# Altium PCB rt1062-ref.PcbDoc (part 2 of 4)
Units mil, origin at the board's own origin, x right, y up, seen from the top; angles counter-clockwise.
Board outline 1400 x 1750 mil, 8 copper layers (Top, L2, L3, L4, L5, L6, L7, Bottom), stack 46.516 mil thick; 250 components, 225 nets, 1025 pads, 574 vias.
Unrouted connection lines stored in the file: 48.
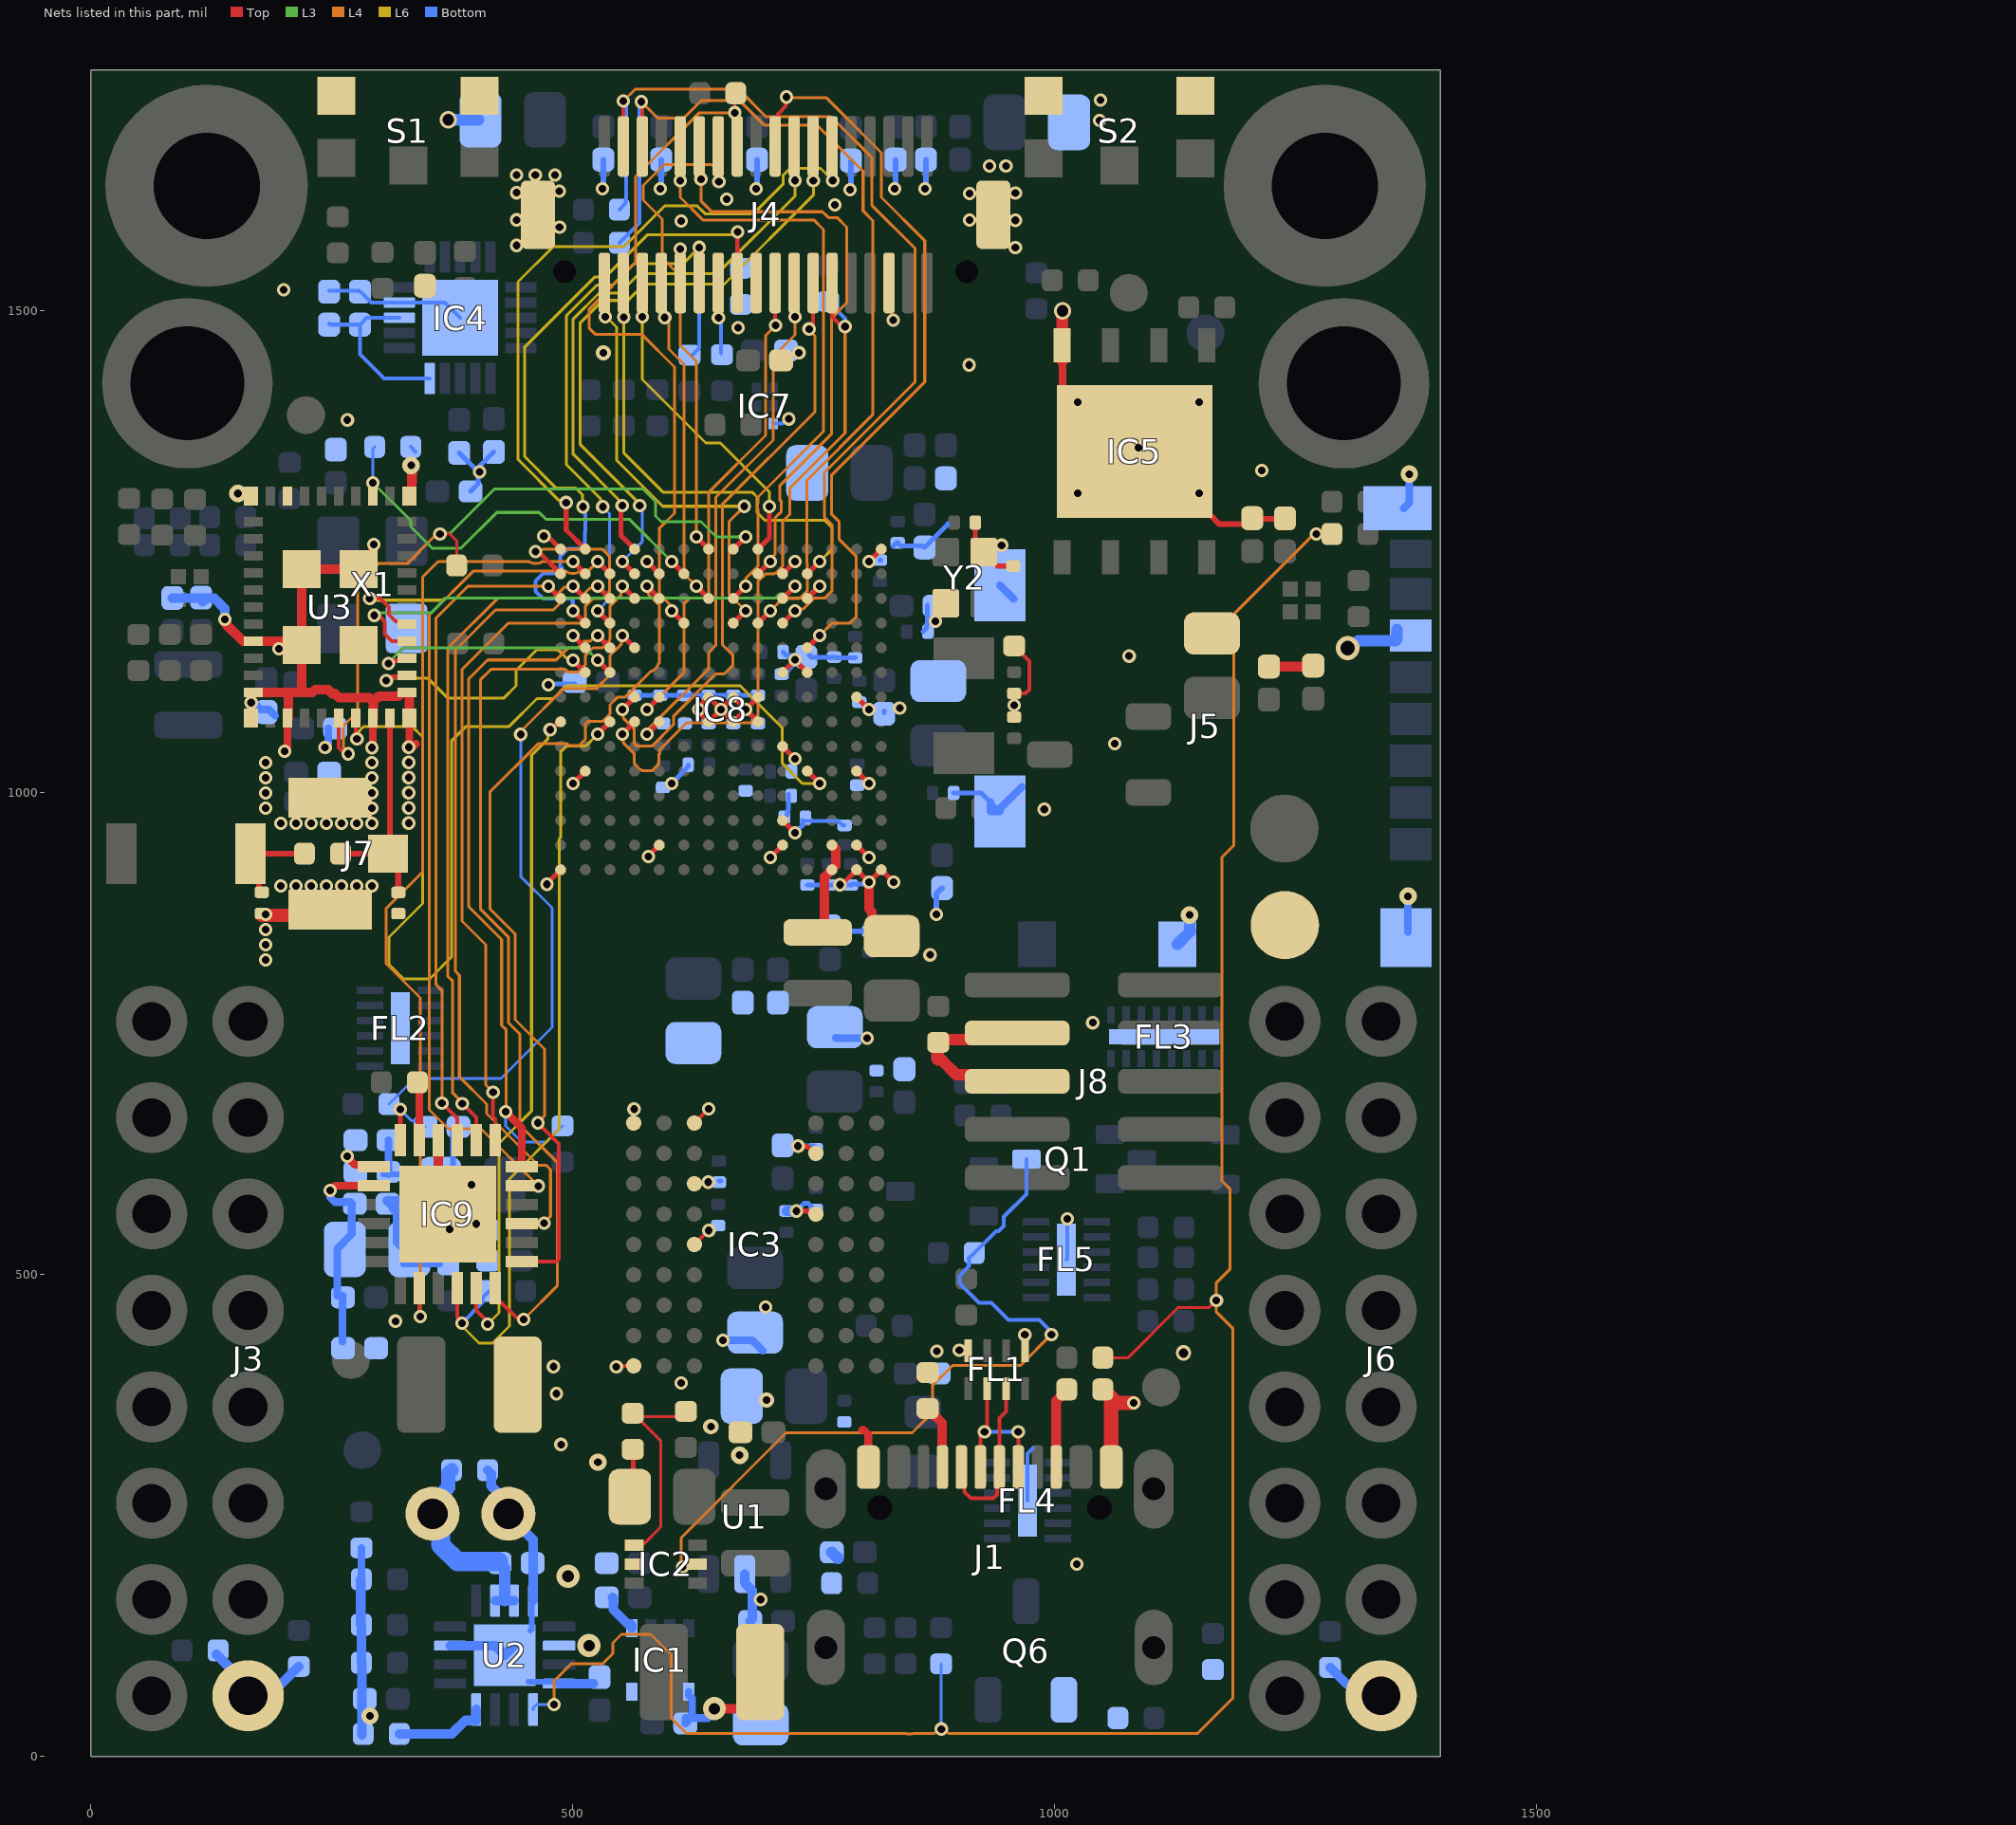
[diagram p8: the nets of this part, all layers, seen from the top]

## Part data
ANT1: "ABRACON - AMCA31-2R450G-S1F-T3 - ANTENNA, CHIP, 2.45GHZ, 50 OHM, 1206   Source:  Datasheet", MANUFACTURER_NAME=ABRACON, DeviceSetName=AMCA31-2R450G-S1F-T3, GateName_1=G$1, HEIGHT=1.4mm, LibraryName=AMCA31-2R450G-S1F-T3, MANUFACTURER_PART_NUMBER=AMCA31-2R450G-S1F-T3, MOUSER_PART_NUMBER=815-CA312R450GS1FT3, MOUSER_PRICE-STOCK=https://www.mouser.co.uk/ProductDetail/ABRACON/AMCA31-2R450G-S1F-T3?qs=AAveGqk956GLuOddQEK40Q%3D%3D, MPN=AMCA31-2R450G-S1F-T3, Part Number=AMCA31-2R450G-S1F-T3, SymbolName_1=AMCA31-2R450G-S1F-T3
C1 C2 C3 C4 C5 C8 C9 C10 C12 C17 C21 C23 C25 C27 C30 C33 C35 C39 C40 C41 C42 C44 C46 C52 C57 C60 C64 C65 C67 C72 C82 C83 C90 C91 C92 C93 C95 C101 C104 C108 C112 C113: library part CAP0402-CAP, "CapacitorStandard 0603 ceramic capacitor, and 0.1\" leaded capacitor.", MPN=JMK105BBJ475MV-F, DeviceName=0402-CAP, DeviceSetName=CAP, GateName_1=G$1, LibraryName=sfe, Part Number=JMK105BBJ475MV-F, SymbolName_1=CAP
C6 C7 C14 C18 C29 C32 C37 C49 C51 C58 C61 C73 C85 C96: library part 22UF-0805-6.3V-20%, "22ÂµF ceramic capacitors    A capacitor is a passive two-terminal electrical component used to store electrical energy temporarily in an electric field.", MPN=CL21A226MQQNNNE, DeviceName=-0805-6.3V-20%, DeviceSetName=22UF, GateName_1=G$1, LibraryName=SparkFun-Capacitors, Part Number=CL21A226MQQNNNE, PROD_ID=CAP-08402, SymbolName_1=CAP
C11 C13 C15 C16 C19 C28 C31 C34 C38 C43 C45 C47 C48 C50 C53 C54 C55 C56 C59 C62 C63 C66 C68 C69 C70 C71 C86 C87 C88 C94 C97 C98 C99 C100 C102 C103 C107 C109: library part C-EUC0201, "CAPACITOR, European symbol", MPN=GRM033R60J224ME15D, DeviceName=C0201, DeviceSetName=C-EU, GateName_1=G$1, LibraryName=rcl, Part Number=GRM033R60J224ME15D, POPULARITY=0, SPICEPREFIX=C, SymbolName_1=C-EU
C20 C22 C24 C26 C36 C74 C75 C76 C81 C84 C89 C111: library part C-EUC0201, "CAPACITOR, European symbol", MPN=C0402C104Z4VAC, DeviceSetName=C-EU, GateName_1=G$1, LibraryName=rcl, Part Number=C0402C104Z4VAC, POPULARITY=0, SPICEPREFIX=C, SymbolName_1=C-EU
C77: "Chip Capacitor value 1R5   Source:  Datasheet", MANUFACTURER_NAME="Murata Electronics", DeviceSetName=GRM0335C1H1R5BA01D, GateName_1=G$1, HEIGHT=0.33mm, LibraryName=GRM0335C1H1R5BA01D, MANUFACTURER_PART_NUMBER=GRM0335C1H1R5BA01D, MOUSER_PART_NUMBER=81-GRM0335C1H1R5BA1D, MOUSER_PRICE-STOCK=https://www.mouser.co.uk/ProductDetail/Murata-Electronics/GRM0335C1H1R5BA01D?qs=7vGxPDjevFPFqveGwv%252BPUQ%3D%3D, MPN=GRM0335C1H1R5BA01D, Part Number=GRM0335C1H1R5BA01D, SymbolName_1=GRM0335C1H1R5BA01D
C78: library part GRM0335C1H1R5BA01D, "Chip Capacitor value 1R5   Source:  Datasheet", MANUFACTURER_NAME="Murata Electronics", DeviceSetName=GRM0335C1H1R5BA01D, GateName_1=G$1, HEIGHT=0.33mm, LibraryName=GRM0335C1H1R5BA01D, MANUFACTURER_PART_NUMBER=GRM0335C1H1R5BA01D, MOUSER_PART_NUMBER=81-GRM0335C1H1R5BA1D, MOUSER_PRICE-STOCK=https://www.mouser.co.uk/ProductDetail/Murata-Electronics/GRM0335C1H1R5BA01D?qs=7vGxPDjevFPFqveGwv%252BPUQ%3D%3D, MPN=DNP, Part Number=DNP, POPULATE=0, SymbolName_1=GRM0335C1H1R5BA01D
C79 C80: library part C-EUC0201, "CAPACITOR, European symbol", MPN=GRM0335C1E180JA01D, DeviceName=C0201, DeviceSetName=C-EU, GateName_1=G$1, LibraryName=rcl, Part Number=GRM0335C1E180JA01D, POPULARITY=0, SPICEPREFIX=C, SymbolName_1=C-EU
C105 C106: library part C-EUC0201, "CAPACITOR, European symbol", MPN=GRM0335C1E4R7CA01D, DeviceName=C0201, DeviceSetName=C-EU, GateName_1=G$1, LibraryName=rcl, Part Number=GRM0335C1E4R7CA01D, POPULARITY=0, SPICEPREFIX=C, SymbolName_1=C-EU
C110: library part CAP0402-CAP, "Capacitor", MPN=VJ0402Y102JXACW1BC, DeviceName=0402-CAP, DeviceSetName=CAP, GateName_1=G$1, LibraryName=sfe, Part Number=VJ0402Y102JXACW1BC, SymbolName_1=CAP
C114 C116: library part CAP_POL, MANUFACTURER P/N=F930J227MBA, MPN=F930J227MBA, Part Number=F930J227MBA
CN1: library part JST_2PIN-THM-RA, "JST 2-Pin Connectors of various flavors SMT-RA (S2B-PH-SM4) 4UConnector #17311  SMT  (B2B-PH-SM4)  THM-RA (S2B-PH)  THM  (B2B-PH)", DeviceName=-THM-RA, DeviceSetName=JST_2PIN, GateName_1=G$1, LibraryName=adafruit-updated, MPN=S2B-PH-K-S(LF)(SN), Part Number=S2B-PH-K-S(LF)(SN), SymbolName_1=PINHD2
D1 D3: "LED RGB SMD, SIZE 1 X 1 mm Check availability", MPN=UHD1110-FKA-CL1A13r3q1BBQFMF3, PACKAGE="0404 Cree Inc.", AVAILABILITY="In Stock", DeviceSetName=UHD1110-FKA-CL1A13R3Q1BBQFMF3, GateName_1=G$1, LibraryName=UHD1110-FKA-CL1A13R3Q1BBQFMF3, MF="Cree Inc.", MP=UHD1110-FKA-CL1A13R3Q1BBQFMF3, Part Number=UHD1110-FKA-CL1A13r3q1BBQFMF3, PRICE=None, PURCHASE-URL=https://pricing.snapeda.com/search/part/UHD1110-FKA-CL1A13R3Q1BBQFMF3/?ref=eda, SymbolName_1=UHD1110-FKA-CL1A13R3Q1BBQFMF3
D2 D4 D5 D7 D8 D10 D13 D14: "ESD Suppressors / TVS Diodes DIODE ESD 5VWM 65W 0402/SOD-923F   Source:  Datasheet", MANUFACTURER_NAME="Comchip Technology", DeviceSetName=CPDQT5V0HE-HF, GateName_1=G$1, HEIGHT=0.42mm, LibraryName=CPDQT5V0HE-HF, MANUFACTURER_PART_NUMBER=CPDQT5V0HE-HF, MOUSER_PART_NUMBER=MOUSER_PART_NUMBER, MOUSER_PRICE-STOCK=MOUSER_PRICE-STOCK, MPN=CPDQT5V0HE-HF, Part Number=CPDQT5V0HE-HF, SymbolName_1=CPDQT5V0HE-HF
D11: MPN=BAT54CLT3G, Part Number=BAT54CLT3G
FD1 FD2 FD3 FD4 FD5 FD6 FD7 FD8: "Fiducial Alignment Points    Point-of-reference for pick-and-place machines and other optical instruments.", DeviceName=1X2, DeviceSetName=FIDUCIAL, GateName_1=G$1, LibraryName=SparkFun-Aesthetics, SymbolName_1=FIDUCIAL
FL1: "Common Mode Filter & ESD Prot. USB uQFN8 STMicroelectronics ECMF02 Series, Signal Filter uQFN SMD, Flat Contact Termination, 2.6 x 1.3 x 0.6mm   Source:  Datasheet", MANUFACTURER_NAME=STMicroelectronics, DeviceSetName=ECMF02-4CMX8, GateName_1=G$1, HEIGHT=mm, LibraryName=ECMF02-4CMX8, MANUFACTURER_PART_NUMBER=ECMF02-4CMX8, MOUSER_PART_NUMBER=511-ECMF02-4CMX8, MOUSER_PRICE-STOCK=https://www.mouser.co.uk/ProductDetail/STMicroelectronics/ECMF02-4CMX8?qs=xYt8xtm2zhmK7GoDlDZR3A%3D%3D, MPN=ECMF02-4CMX8, Part Number=ECMF02-4CMX8, SymbolName_1=ECMF02-4CMX8
FL2 FL4 FL5: "EMI Filter Circuits 6lin lw cpcitnc EMI 45pF -35db @ 900MHz   Source:  Datasheet", MANUFACTURER_NAME=STMicroelectronics, DeviceSetName=EMIF06-1005M12, GateName_1=G$1, HEIGHT=0.65mm, LibraryName=EMIF06-1005M12, MANUFACTURER_PART_NUMBER=EMIF06-1005M12, MOUSER_PART_NUMBER=511-EMIF06-1005M12, MOUSER_PRICE-STOCK=https://www.mouser.co.uk/ProductDetail/STMicroelectronics/EMIF06-1005M12?qs=VJaATVMq%252BXo0u09ZqtQg3A%3D%3D, MPN=EMIF06-1005M12, Part Number=EMIF06-1005M12, SymbolName_1=EMIF06-1005M12
FL3: "No Description Available", MPN=EMIF06-MSD02N16, Part Numbre=EMIF06-MSD02N16
IC1: "1.6-V to 5.5-V, 40-m, 2.5-A, low-IQ, dual ideal diode   Source:  Datasheet", MANUFACTURER_NAME="Texas Instruments", DeviceSetName=LM66200DRLR, GateName_1=G$1, HEIGHT=0.6mm, LibraryName=LM66200DRLR, MANUFACTURER_PART_NUMBER=LM66200DRLR, MOUSER_PART_NUMBER=595-LM66200DRLR, MOUSER_PRICE-STOCK=https://www.mouser.co.uk/ProductDetail/Texas-Instruments/LM66200DRLR?qs=Rp5uXu7WBW90hnpZAkIOdQ%3D%3D, MPN=LM66200DRLR, Part Number=LM66200DRLR, SymbolName_1=LM66200DRLR
IC2: "DCDC Conv LV Buck SOT563 T&R 3K   Source:  Datasheet", MANUFACTURER_NAME="Diodes Inc.", DeviceSetName=AP61300Z6-7, GateName_1=G$1, HEIGHT=0.6mm, LibraryName=AP61300Z6-7, MANUFACTURER_PART_NUMBER=AP61300Z6-7, MOUSER_PART_NUMBER=621-AP61300Z6-7, MOUSER_PRICE-STOCK=https://www.mouser.co.uk/ProductDetail/Diodes-Incorporated/AP61300Z6-7?qs=HBWAp0VN4Ri0dzb0XP2pEA%3D%3D, MPN=AP61300Z6-7, Part Number=AP61300Z6-7, SymbolName_1=AP61300Z6-7
IC3: "DRAM 256M 16Mx16 166Mhz SDR SDRAM, 3.3V   Source:  Datasheet", MANUFACTURER_NAME="Integrated Silicon Solution Inc.", DeviceSetName=IS42S16160G-6BL, GateName_1=G$1, HEIGHT=1.2mm, LibraryName=IS42S16160G-6BL, MANUFACTURER_PART_NUMBER=IS42S16160G-6BL, MOUSER_PART_NUMBER=870-IS42S16160G-6BL, MOUSER_PRICE-STOCK=https://www.mouser.co.uk/ProductDetail/ISSI/IS42S16160G-6BL?qs=9hm%252BDT1Jr7yvZBhvmJyecQ%3D%3D, MPN=IS42S16160G-6BL, Part Number=IS42S16160G-6BL, SymbolName_1=IS42S16160G-6BL
IC5: "NOR Flash 128M 2.3-3.6V 166Mhz Serial NOR Flash   Source:  Datasheet", MANUFACTURER_NAME="Integrated Silicon Solution Inc.", DeviceSetName=IS25LP128F-JKLE-TR, GateName_1=G$1, HEIGHT=0.8mm, LibraryName=IS25LP128F-JKLE-TR, MANUFACTURER_PART_NUMBER=IS25LP128F-JKLE-TR, MOUSER_PART_NUMBER=870-IS25LP128F-JKLE-TR, MOUSER_PRICE-STOCK=https://www.mouser.com/ProductDetail/ISSI/IS25LP128F-JKLE-TR?qs=F5EMLAvA7IC8MN2X519UUw%3D%3D&gclid=CjwKCAjwsvujBhAXEiwA_UXnABLUJpl9weydWRO2l8Lx1K-mg-pZDVt8AO_chLaXpBnEcozZukFcOxoCxuIQAvD_BwE, MPN=IS25LP128F-JKLE-TR, SymbolName_1=IS25LP128F-JKLE-TR
IC7: "Accelerometers Monolithic and Wafer Level Packaged Three-Axis Accelerometer   Source:  Datasheet", MANUFACTURER_NAME=MEMSIC, DeviceSetName=MXC4005XC, GateName_1=G$1, HEIGHT=0.885mm, LibraryName=MXC4005XC, MANUFACTURER_PART_NUMBER=MXC4005XC, MOUSER_PART_NUMBER=438-MXC4005XC, MOUSER_PRICE-STOCK=https://www.mouser.co.uk/ProductDetail/MEMSIC/MXC4005XC?qs=RcG8xmE7yp3iyYgWLmAtUw%3D%3D, MPN=MXC4005XC, Part Number=MXC4005XC, SymbolName_1=MXC4005XC
IC8: library part MIMXRT1052DVL6B, "Processors - Application Specialized MIMXRT106FDVL6B/LFBGA196///STANDARD MARKING * TRAY   Source:  Datasheet", MANUFACTURER_NAME=NXP, GateName_1=G$1, HEIGHT=1.43mm, MANUFACTURER_PART_NUMBER=MIMXRT106FDVL6B, MPN=MIMXRT106FDVL6B, Part Number=MIMXRT106FDVL6B
IC9: "Ethernet ICs 10/100 BASE-TX Physical Layer Transceiver   Source:  Datasheet", MANUFACTURER_NAME=Microchip, DeviceSetName=KSZ8081RNDCA-TR, GateName_1=G$1, HEIGHT=0.9mm, LibraryName=KSZ8081RNDCA-TR, MANUFACTURER_PART_NUMBER=KSZ8081RNDCA-TR, MOUSER_PART_NUMBER=998-KSZ8081RNDCATR, MOUSER_PRICE-STOCK=https://www.mouser.co.uk/ProductDetail/Microchip-Technology-Atmel/KSZ8081RNDCA-TR?qs=U6T8BxXiZAXLXXdn%2FieQKw%3D%3D, MPN=KSZ8081RNDCA-TR, Part Number=KSZ8081RNDCA-TR, SymbolName_1=KSZ8081RNDCA-TR
J1: "USB-C (USB TYPE-C) USB 2.0 Receptacle Connector 24 (16+8 Dummy) Position Surface Mount, Right Angle; Through Hole  Check availability", PACKAGE=None, AVAILABILITY="In Stock", DeviceSetName=USB4105-GF-A, GateName_1=G$1, LibraryName=USB4105-GF-A, MF=GCT, MP=USB4105-GF-A, MPN=USB4105-GF-A, Part Number=USB4105-GF-A, PRICE=None, PURCHASE-URL=https://pricing.snapeda.com/search/part/USB4105-GF-A/?ref=eda, SymbolName_1=USB4105-GF-A
J2 J3 J6 J9: library part "CONN_08\"", "Multi connection point. Often used as Generic Header-pin footprint for 0.1 inch spaced/style header connections    On any of the 0.1 inch spaced packages, you can populate with these:  Break Away Headers - Straight (PRT-00116)   Break Away Male Headers - Right Angle (PRT-00553)   Female Headers (PRT-00115)   Break Away Headers - Machine Pin (PRT-00117)   Break Away Female Headers - Swiss Machine Pin (PRT-00743)   Arduino Stackable Header - 8 Pin (PRT-09279)        For SCREWTERMINALS and SPRING TERMINALS visit here:  Screw Terimnals on SparkFun.com (5mm/3.5mm/2.54mm spacing)       This device is also useful as a general connection point to wire up your design to another part of your project. Our various solder wires solder well into these plated through hole pads.  Hook-Up Wire - Assortment (Stranded, 22 AWG) (PRT-11375)   Hook-Up Wire - Assortment (Solid Core, 22 AWG) (PRT-11367)   View the entire wire category on our website here          Special notes:     Molex polarized connector foot print use with SKU : PRT-08231 with associated crimp pins and housings. 1MM SMD Version SKU: PRT-10208    NOTES ON THE VARIANTS LOCK and LOCK_LONGPADS... This footprint was designed to help hold the alignment of a through-hole component (i.e.  6-pin header) while soldering it into place. You may notice that each hole has been shifted either up or down by 0.005 of an inch from it's more standard position (which is a perfectly straight line).  This slight alteration caused the pins (the squares in the middle) to touch the edges of the holes.  Because they are alternating, it causes a \"brace\" to hold the component in place.  0.005 has proven to be the perfect amount of \"off-center\" position when using our standard breakaway headers. Although looks a little odd when you look at the bare footprint, once you have a header in there, the alteration is very hard to notice.  Also,if you push a header all the way into place, it is covered up entirely on the bottom side.", DeviceName="\"", DeviceSetName=CONN_08, GateName_1=G$1, LibraryName=SparkFun-Connectors, MPN=DNP, Part Number=DNP, POPULATE=0, PROD_ID=CONN-08438, SymbolName_1=CONN_08
J4: library part DF12-36-DS, "Header", DeviceSetName=DF12-36-DS, GateName_1=G$1, LibraryName=DF12-36-DS, MPN=DF12NB(3.0)-36DS-0.5V(51), Part Number=DF12NB(3.0)-36DS-0.5V(51), SymbolName_1=DF12-36
J5: "uSD Slot", MPN=104031-0811, DeviceSetName=USD-1040310811, GateName_1=G$1, LibraryName=1040310811, Part Number=104031-0811, SymbolName_1=USD
J7: library part 2337019-1, "RF Connectors / Coaxial Connectors MicroCoax receptacle UMCC Gen 1   Source:  Datasheet", MANUFACTURER_NAME="TE Connectivity", DeviceSetName=2337019-1, GateName_1=G$1, HEIGHT=1.4mm, LibraryName=2337019-1, MANUFACTURER_PART_NUMBER=2337019-1, MOUSER_PART_NUMBER=571-2337019-1, MOUSER_PRICE-STOCK=https://www.mouser.co.uk/ProductDetail/TE-Connectivity/2337019-1?qs=l4Gc20tDgJIuN7nS9rJkJw%3D%3D, MPN=DNP, Part Number=DNP, POPULATE=0, SymbolName_1=2337019-1
J8: library part 3221-10-0300-00, "Check availability", PACKAGE=None, AVAILABILITY="In Stock", DeviceSetName=3221-10-0300-00, GateName_1=G$1, LibraryName=3221-10-0300-00, MF="CNC Tech", MP=FTSH-105-01-F-DV-K-P-TR, MPN=FTSH-105-01-F-DV-K-P-TR, Part Number=FTSH-105-01-F-DV-K-P-TR, PRICE=None, PURCHASE-URL=https://pricing.snapeda.com/search/part/3221-10-0300-00/?ref=eda, SymbolName_1=3221-10-0300-00
L1: library part INDUCTOR, "InductorsBasic Inductor/Choke - 0603 and 1206. Footprints are not proven and vary greatly between part numbers.", GateName_1=G$1, MPN=MFBM1V1608-101-R, Part Number=MFBM1V1608-101-R
L2: "Ind Power Wirewound 1uH 20% 2MHz Metal 2200mA 0806 Check availability", PACKAGE="2016 Taiyo Yuden", AVAILABILITY="In Stock", DeviceSetName=MAKK2016T1R0M, GateName_1=G$1, LibraryName=MAKK2016T1R0M, MF="Taiyo Yuden", MP=MAKK2016T1R0M, MPN=MAKK2016T1R0M, Part Number=MAKK2016T1R0M, PRICE=None, PURCHASE-URL=https://pricing.snapeda.com/search/part/MAKK2016T1R0M/?ref=eda, SymbolName_1=MAKK2016T1R0M
L4 L6 L8: library part INDUCTOR0402, "InductorsBasic Inductor/Choke - 0603 and 1206. Footprints are not proven and vary greatly between part numbers.", MPN=MFBM1V1005-101-R, DeviceName=0402, DeviceSetName=INDUCTOR, GateName_1=G$1, LibraryName=sfe, Part Number=MFBM1V1005-101-R, SymbolName_1=INDUCTOR
L5: "INDUCTOR, METAL CORE, SHIELDED, SMD HIGH CURRENT, 4.7uH, 20%, TR Check availability", PACKAGE="2016 Taiyo Yuden", AVAILABILITY="In Stock", DeviceSetName=MAKK2016T4R7M, GateName_1=G$1, LibraryName=MAKK2016T4R7M, MF="Taiyo Yuden", MP=MAKK2016T4R7M, MPN=MAKK2016T4R7M, Part Number=MAKK2016T4R7M, PRICE=None, PURCHASE-URL=https://pricing.snapeda.com/search/part/MAKK2016T4R7M/?ref=eda, SymbolName_1=MAKK2016T4R7M
L7: library part INDUCTOR-0402-3.9NH, "Inductors    Resist changes in electrical current. Basically a coil of wire.   SparkFun Products:  SparkFun Load Cell Amplifier - HX711  IOIO-OTG - V2.2", MPN=L-07C3N9SV6T, DeviceName=-0402-3.9NH, DeviceSetName=INDUCTOR, GateName_1=G$1, LibraryName=SparkFun-Coils, Part Number=L-07C3N9SV6T, PROD_ID=NDUC-13457, SymbolName_1=INDUCTOR
L9: "INDUCTOR, METAL CORE Check availability", PACKAGE="2016 Taiyo Yuden", AVAILABILITY="In Stock", DeviceSetName=MAKK2016T2R2M, GateName_1=G$1, LibraryName=MAKK2016T2R2M, MF="Taiyo Yuden", MP=MAKK2016T2R2M, MPN=MAKK2016T2R2M, Part Number=MAKK2016T2R2M, PRICE=None, PURCHASE-URL=https://pricing.snapeda.com/search/part/MAKK2016T2R2M/?ref=eda, SymbolName_1=MAKK2016T2R2M
M1 M2: "M2 3mm Standoff", DeviceSetName=9774030243R, GateName_1=G$1, LibraryName=9774030243R, MPN=9774030243R, Part Number=9774030243R, SymbolName_1=9774030243R
P1 P2: library part OMV
P3: library part ROHS
P4: library part WEEE
Q1 Q2 Q3: "MOSFET 60V N-Channel Enhancement Mode MOSFET - ESD Protected   Source:  Datasheet", MANUFACTURER_NAME=PANJIT, DeviceSetName=2N7002KW_R1_00001, GateName_1=G$1, HEIGHT=1.1mm, LibraryName=2N7002KW_R1_00001, MANUFACTURER_PART_NUMBER=2N7002KW_R1_00001, MOUSER_PART_NUMBER=241-2N7002KWR100001, MOUSER_PRICE-STOCK=https://www.mouser.co.uk/ProductDetail/Panjit/2N7002KW_R1_00001?qs=sPbYRqrBIVliWKATqv7jNA%3D%3D, MPN=2N7002KW_R1_00001, Part Number=2N7002KW_R1_00001, SymbolName_1=2N7002KW_R1_00001
R1 R6 R7 R21: library part RESISTOR0402-RES, "ResistorBasic schematic elements and footprints for 0603, 1206, and PTH resistors.", MPN=RC0402JR-075K1L, DeviceName=0402-RES, DeviceSetName=RESISTOR, GateName_1=G$1, LibraryName=sfe, Part Number=RC0402JR-075K1L, SymbolName_1=RESISTOR
R2: library part RESISTOR0402-RES, "ResistorBasic schematic elements and footprints for 0603, 1206, and PTH resistors.", MPN=CRCW0402200KFKEDC, DeviceName=0402-RES, DeviceSetName=RESISTOR, GateName_1=G$1, LibraryName=sfe, Part Number=CRCW0402200KFKEDC, SymbolName_1=RESISTOR
R3 R69: library part RESISTOR0402-RES, "ResistorBasic schematic elements and footprints for 0603, 1206, and PTH resistors.", MPN=CRCW04021M00FKEDC, DeviceName=0402-RES, DeviceSetName=RESISTOR, GateName_1=G$1, LibraryName=sfe, Part Number=CRCW04021M00FKEDC, SymbolName_1=RESISTOR
R4 R9 R20 R37 R44 R45 R46: library part RESISTOR0402-RES, "ResistorBasic schematic elements and footprints for 0603, 1206, and PTH resistors.", MPN=AC0402FR-1310KL, DeviceName=0402-RES, DeviceSetName=RESISTOR, GateName_1=G$1, LibraryName=sfe, Part Number=AC0402FR-1310KL, SymbolName_1=RESISTOR
R5 R19 R28 R36 R39 R54: library part RESISTOR0402-RES, "ResistorBasic schematic elements and footprints for 0603, 1206, and PTH resistors.", MPN=CRCW04021K00FKEDC, DeviceName=0402-RES, DeviceSetName=RESISTOR, GateName_1=G$1, LibraryName=sfe, Part Number=CRCW04021K00FKEDC, SymbolName_1=RESISTOR
R8: library part RESISTOR0402-RES, "ResistorBasic schematic elements and footprints for 0603, 1206, and PTH resistors.", MPN=AC0402FR-0744K2L, DeviceName=0402-RES, DeviceSetName=RESISTOR, GateName_1=G$1, LibraryName=sfe, Part Number=AC0402FR-0744K2L, SymbolName_1=RESISTOR
R10: library part RESISTOR0402-RES, "ResistorBasic schematic elements and footprints for 0603, 1206, and PTH resistors.", MPN=RC0402JR-071K1, DeviceName=0402-RES, DeviceSetName=RESISTOR, GateName_1=G$1, LibraryName=sfe, Part Number=RC0402JR-071K1, SymbolName_1=RESISTOR
R11: library part RESISTOR0402-RES, "ResistorBasic schematic elements and footprints for 0603, 1206, and PTH resistors.", MPN=WR04X4642FTL, DeviceName=0402-RES, DeviceSetName=RESISTOR, GateName_1=G$1, LibraryName=sfe, Part Number=WR04X4642FTL, SymbolName_1=RESISTOR
R12: library part RESISTOR0402-RES, "ResistorBasic schematic elements and footprints for 0603, 1206, and PTH resistors.", MPN=CR0402-FX-8201GLF, DeviceName=0402-RES, DeviceSetName=RESISTOR, GateName_1=G$1, LibraryName=sfe, Part Number=CR0402-FX-8201GLF, SymbolName_1=RESISTOR
R13 R14 R18 R22 R23 R24 R34 R42 R43 R53 R62 R63 R64 R65 R66: library part RESISTOR0402-RES, "ResistorBasic schematic elements and footprints for 0603, 1206, and PTH resistors.", MPN=AC0402FR-07100KL, DeviceName=0402-RES, DeviceSetName=RESISTOR, GateName_1=G$1, LibraryName=sfe, Part Number=AC0402FR-07100KL, SymbolName_1=RESISTOR
R15 R16 R17: library part RESISTOR0402-RES, "ResistorBasic schematic elements and footprints for 0603, 1206, and PTH resistors.", MPN=AC0402JR-072K7L, DeviceName=0402-RES, DeviceSetName=RESISTOR, GateName_1=G$1, LibraryName=sfe, Part Number=AC0402JR-072K7L, SymbolName_1=RESISTOR
R27 R29 R57 R60 R61 R67 R68 R70: library part RESISTOR0402-RES, "ResistorBasic schematic elements and footprints for 0603, 1206, and PTH resistors.", MPN=AC0402FR-1310K, DeviceName=0402-RES, DeviceSetName=RESISTOR, GateName_1=G$1, LibraryName=sfe, Part Number=AC0402FR-1310K, SymbolName_1=RESISTOR
R30 R31: library part RESISTOR0402-RES, "ResistorBasic schematic elements and footprints for 0603, 1206, and PTH resistors.", MPN=AC0402FR-074K7L, DeviceName=0402-RES, DeviceSetName=RESISTOR, GateName_1=G$1, LibraryName=sfe, Part Number=AC0402FR-074K7L, SymbolName_1=RESISTOR
R32: library part RESISTOR0402-RES, "ResistorBasic schematic elements and footprints for 0603, 1206, and PTH resistors.", MPN=RC0201FR-0730KL, DeviceName=0402-RES, DeviceSetName=RESISTOR, GateName_1=G$1, LibraryName=sfe, Part Number=RC0201FR-0730KL, SymbolName_1=RESISTOR
R33 R58 R59 R71 R72: library part RESISTOR0402-RES, "ResistorBasic schematic elements and footprints for 0603, 1206, and PTH resistors.", DeviceName=0402-RES, DeviceSetName=RESISTOR, GateName_1=G$1, LibraryName=sfe, MPN=DNP, Part Number=DNP, SymbolName_1=RESISTOR
R35: library part RESISTOR0402-RES, "ResistorBasic schematic elements and footprints for 0603, 1206, and PTH resistors.", MPN=CRGCQ0402F220R, DeviceName=0402-RES, DeviceSetName=RESISTOR, GateName_1=G$1, LibraryName=sfe, Part Number=CRGCQ0402F220R, SymbolName_1=RESISTOR
R38: library part RESISTOR0402-RES, "ResistorBasic schematic elements and footprints for 0603, 1206, and PTH resistors.", MPN=CR0402-FX-6491GLF, DeviceName=0402-RES, DeviceSetName=RESISTOR, GateName_1=G$1, LibraryName=sfe, Part Number=CR0402-FX-6491GLF, SymbolName_1=RESISTOR
R40: library part RESISTOR0402-RES, "ResistorBasic schematic elements and footprints for 0603, 1206, and PTH resistors.", MPN=RC0402FR-072M2L, DeviceName=0402-RES, DeviceSetName=RESISTOR, GateName_1=G$1, LibraryName=sfe, Part Number=RC0402FR-072M2L, SymbolName_1=RESISTOR
R41: library part RESISTOR0402-RES, "Resistor", MPN=CRCW04021M00FKEDC, DeviceName=0402-RES, DeviceSetName=RESISTOR, GateName_1=G$1, LibraryName=sfe, Part Number=CRCW04021M00FKEDC, SymbolName_1=RESISTOR
R55 R56: library part RESISTOR0402-RES, "ResistorBasic schematic elements and footprints for 0603, 1206, and PTH resistors.", MPN=RC0402JR-070R, DeviceName=0402-RES, DeviceSetName=RESISTOR, GateName_1=G$1, LibraryName=sfe, Part Number=RC0402JR-070R, SymbolName_1=RESISTOR
U2: "Standalone 1-cell 1.5-A linear charger, Power Path, 4.2-V VBAT and 5.5-V VOUT 16-VQFN -40 to 85  Check availability", PACKAGE="VQFN-16 Texas Instruments", AVAILABILITY="In Stock", DeviceSetName=BQ24075RGTR, GateName_1=G$1, LibraryName=BQ24075RGTR, MF="Texas Instruments", MP=BQ24075RGTR, MPN=BQ24075RGTR, Part Number=BQ24075RGTR, PRICE=None, PURCHASE-URL=https://pricing.snapeda.com/search/part/BQ24075RGTR/?ref=eda, SymbolName_1=BQ24075RGTR
U3: library part LBEE5KL1DX-TEMP, "Broadcom Chipset for 802.11b/g/n + Bluetooth 4.1/EDR", PACKAGE=None, AVAILABILITY=Unavailable, DeviceSetName=LBEE5KL1DX-TEMP, GateName_1=G$1, LibraryName=LBEE5KL1DX-TEMP, MF="Murata Electronics", MP=LBEE5KL1DX-TEMP, MPN=LBEE5KL1DX-883, Part Number=LBEE5KL1DX-883, PRICE=None, SymbolName_1=LBEE5KL1DX-TEMP
Y1: library part ABS07-32.768KHZ-7-T, "Check availability", PACKAGE="SMD-2 Abracon LLC", AVAILABILITY="In Stock", DeviceSetName=ABS07-32.768KHZ-7-T, GateName_1=G$1, LibraryName=ABS07-32.768KHZ-7-T, MF=Abracon, MP=ABS07-32.768KHZ-7-T, MPN=SC32S-7PF20PPM, Part Number=SC32S-7PF20PPM, PRICE=None, PURCHASE-URL=https://pricing.snapeda.com/search/part/ABS07-32.768KHZ-7-T/?ref=eda, SymbolName_1=ABS07-32.768KHZ-7-T
Y2: "Murata 24MHz Crystal +/-30ppm SMD 4-Pin 2 x 1.6 x 0.7mm   Source:  Datasheet", MANUFACTURER_NAME="Murata Electronics", DeviceSetName=XRCGB24M000F3M00R0, GateName_1=G$1, HEIGHT=mm, LibraryName=XRCGB24M000F3M00R0, MANUFACTURER_PART_NUMBER=XRCGB24M000F3M00R0, MOUSER_PART_NUMBER=81-XRCGB24M000F3M0R0, MOUSER_PRICE-STOCK=https://www.mouser.co.uk/ProductDetail/Murata-Electronics/XRCGB24M000F3M00R0?qs=e%252BE4OD6MgMefDn8VvwDdfw%3D%3D, MPN=XRCGB24M000F3M00R0, Part Number=XRCGB24M000F3M00R0, SymbolName_1=XRCGB24M000F3M00R0
IC4: MPN=SE050C1HQ1/Z01SCZ, Part Number=SE050C1HQ1/Z01SCZ
Q6: GateName_1=G$1, HEIGHT=1.1mm, MPN=DMG2301L-7, Part Number=DMG2301L-7
S1 S2: MPN=KMS231GLFS, Part Number=KMS231GLFS
U1: DeviceSetName=TCR2LF33,LM(CT, GateName_1=G$1, LibraryName=TCR2LF33,LM(CT, MPN=TCR2LF33,LM(CT, SymbolName_1=TCR2LF33,LM(CT
X1: MPN=ECS-327MVATX-3-CN-TR3, Part Number=ECS-327MVATX-3-CN-TR3

## Free pads (board coordinates)
  round 209.84 hole 110.24 mask+1.97: 0(120,1630) 0(1280,1630)

## Via types
v1: diameter 14, hole 8, Top to Bottom, tented both sides, 531 vias
v2: diameter 18, hole 8, Top to Bottom, tented both sides, 18 vias
v3: diameter 24, hole 12, Top to Bottom, tented both sides, 6 vias
v4: diameter 16, hole 8, Top to Bottom, tented both sides, 6 vias
v5: diameter 25, hole 15, Top to Bottom, tented both sides, 4 vias
v6: diameter 18, hole 12, Top to Bottom, tented both sides, 3 vias
v7: diameter 30, hole 15, Top to Bottom, tented both sides, 2 vias
v8: diameter 20, hole 12, Top to Bottom, tented both sides, 2 vias
v9: diameter 22, hole 10, Top to Bottom, tented both sides, 1 vias
v10: diameter 16, hole 10, Top to Bottom, tented both sides, 1 vias

## Nets (pads, with @x,y where several pads share a name; then routed paths per layer and width w, separated by ;. In a path a pad name is that pad's centre, name@x,y a point inside that pad or via, vN(x,y) a via of type N, cw(c..) or ccw(c..) an arc to the next point about the centre after c; other vN are vias at no path point)
ANT: C77.1 J7.1 L7.2 U3.41 | length 229.3
  Top w6: L7.2@262.99,937.01 J7.1@308.07,937.01 ; J7.1@310.04,938.98 U3.41@310.04,1077.75
  Top w6.5: C77.1@318.9,898.82 J7.1@318.9,926.18
  Top w13.78: J7.1@310.04,938.98 J7.1@308.07,937.01 J7.1@318.9,926.18
BAT: C8.2 CN1.1 D2.1 U2.2 U2.3 | length 211.9
  Bottom w10: U2.2@419.29,161.82 429.13,161.81 U2.3@438.97,161.82
  Bottom w12: CN1.1@354.33,251.97 CN1.1@362.75,243.55 ; C8.2@422.48,202.3 C8.2@423.92,200.86 ; 429.13,161.81 C8.2@429.13,195.87
  Bottom w15: CN1.1@354.33,261.71 354.33,263.06 370.69,279.43 370.69,293.91 D2.1@374.02,297.24
  Bottom w20: CN1.1@354.33,251.97 CN1.1@354.33,261.71 ; CN1.1@362.75,243.55 362.75,219.8 380.25,202.3 C8.2@422.48,202.3
BT_D_WAKE: IC8.L5 U3.39 | length 1145.8
  Top w4: U3.39@274.6,1077.75 274.61,1057.31 v1(275.86,1056.05)
  Top w5: IC8.L5@743.11,1022.63 v1(755.9,1009.84)
  L6 w3: v1(275.86,1056.05) 277.97,1058.16 277.97,1063.97 283,1069 333,1069 344,1058 344,885.34 309.06,850.39 309.06,822.34 324.31,807.09 351.38,807.09 374,829.71 374,1053.93 389.07,1069 434,1069 462.76,1097.76 479.34,1097.76 492.57,1111 673.8,1111 717,1067.8 717,1040.83 717.22,1040.61 717.22,1030.78 738.16,1009.84 v1(755.9,1009.84)
BT_H_WAKE: IC8.H14 R60.2 U3.38 | length 772.8
  Top w3: v1(361.99,1268.72) 362.53,1269.27 371.73,1269.27 379.3,1261.7 R60.2@379.3,1236
  Top w4: U3.38@256.89,1077.75 256.89,1047.07 259.98,1043.98 260.64,1043.98 264.15,1040.47 v1(266.86,1040.47)
  Top w5: IC8.H14@666.35,1252.95 v1(679.14,1265.74)
  L3 w3: v1(361.99,1268.72) 362.95,1269.68 372.8,1269.68 418.57,1315.45 572.35,1315.45 585.63,1302.17 585.63,1287.4 591.54,1281.5 632.87,1281.5 648.63,1265.74 v1(679.14,1265.74)
  L4 w3: v1(266.86,1040.47) 266.86,1042.68 261.81,1047.72 261.81,1069.88 276.57,1084.65 276.57,1216.57 298,1238 328.03,1238 355.24,1265.21 355.49,1265.21 359.01,1268.72 v1(361.99,1268.72)
  L6 w3: 671.27,1265.74 v1(679.14,1265.74)
BT_REG_ON: IC8.F13 R37.1 U3.14 | length 447.8
  Top w4: U3.14@292.32,1308.07 292.4,1308.15 292.4,1321.69 v1(292.49,1321.78)
  Top w5: v1(602.36,1240.15) IC8.F13@615.15,1227.36
  L3 w3: v1(292.49,1321.78) 331.69,1282.57 331.69,1276.31 354,1254 384,1254 421,1291 465,1291 472,1284 558.51,1284 v1(602.36,1240.15)
  Bottom w3: v1(292.49,1321.78) 292.49,1357.19 R37.1@294.3,1359
BT_UART_CTS_N: IC8.L12 U3.5 | length 546.2
  Top w4: v1(289.12,1201.6) 289.52,1202 300,1202 309,1193 309,1185 315.89,1178.11 324.83,1178.11 U3.5@327.75,1175.19
  Top w5: IC8.L12@743.11,1201.77 v1(755.9,1214.56)
  L6 w3: v1(289.12,1201.6) 290.75,1199.96 364.79,1199.96 366.83,1202 706.92,1202 706.98,1202.06 741.41,1202.06 753.91,1214.56 v1(755.9,1214.56)
BT_UART_RTS_N: IC8.K12 U3.4 | length 519.7
  Top w4: v1(293.84,1184.22) 295.75,1182.31 300.06,1182.31 304.79,1177.59 304.79,1164.64 311.95,1157.48 U3.4@327.75,1157.48
  Top w5: IC8.K12@717.52,1201.77 v1(730.31,1214.56)
  L3 w3: v1(293.84,1184.22) 295.94,1186.33 300.66,1186.33 301.09,1186.77 352.77,1186.77 368.06,1202.06 709.9,1202.06 714.48,1206.64 722.39,1206.64 v1(730.31,1214.56)
BT_UART_RX: IC8.C9 U3.3 | length 268.7
  Top w5: v1(308.64,1134.33) 311.08,1134.33 314.09,1137.34 325.33,1137.34 U3.3@327.75,1139.76 ; v1(525.59,1137.79) IC8.C9@538.38,1125
  L3 w3: v1(308.64,1134.33) 308.64,1135.22 323.71,1150.29 513.09,1150.29 v1(525.59,1137.79)
BT_UART_TX: IC8.B9 U3.2 | length 271.2
  Top w5: v1(306.36,1116.42) 308.8,1116.42 313,1120.63 326.34,1120.63 U3.2@327.75,1122.04 ; v1(500,1137.79) IC8.B9@512.79,1125
  L6 w3: 313.62,1118.8 349.71,1118.8 370.29,1098.21 428,1098.21 441,1111.21 441,1127 462.48,1148.48 484.62,1148.48 493.21,1139.89 497.9,1139.89 v1(500,1137.79)
C_VOUT: C20.1 C21.2 IC4.15 IC4.18 | length 190.1
  Bottom w4: C21.2@247,1486.87 248,1485.87 C20.1@279,1485.87 ; IC4.18@320.01,1493 286.13,1493 C20.1@279,1485.87 ; IC4.15@351.5,1430.01 303.99,1430.01 279,1455 C20.1@279,1485.87
CC1: J1.A5 R6.1 | length 70.4
  Top w10: R6.1@868,361.3 868.31,361.3 874.42,355.19 874.42,354.88 883,346.3 883,297.69 J1.A5@883.24,297.44
CC2: J1.B5 R7.1 | length 92.5
  Top w10: J1.B5@1001.36,297.44 1001.36,369.18 1014.72,382.55 R7.1@1014.72,384.41
CHG: R1.1 R42.1 R72.2 U2.9 | length 2357.6
  Top w3: R72.2@1049.7,414 1076,414 1128.07,466.07 1160.21,466.07 v1(1167.58,473.43)
  L4 w3: v1(480.32,54.14) 480.32,78.32 498.15,96.15 530.51,96.15 541.34,106.98 541.34,118.11 550.2,126.97 580.71,126.97 602,105.68 602,40 618,24 845.5,24 846,23.5 849,23.5 852,23.5 852.5,24 874.94,24 879.54,28.6 884.86,28.6 889.46,24 1147.97,24 1184.81,60.84 1184.81,444.19 1167.58,461.42 v1(1167.58,473.43) 1167.58,491.76 1181.8,505.98 1181.8,554.9 1181.86,554.96 1181.86,588.81 1173.23,597.44 1173.23,933.3 1185.81,945.88 1185.81,1185.81 1268.49,1268.49 v1(1271.28,1268.49)
  Bottom w3: U2.9@458.66,48.82 458.66,50.52 462.28,54.14 v1(480.32,54.14) ; R42.1@882,96.3 882,28.8 v1(882.2,28.6)
D_N: FL1.3 J1.A7 J1.B7 | length 176
  Top w4: J1.B7@902.93,297.44 906.25,294.12 906.25,274.75 913,268 936,268 940.22,272.22 940.22,295.36 942.3,297.44 942.3,351.3 949.3,358.3 FL1.3@949.3,381.88
D_P: FL1.2 J1.A6 J1.B6 | length 161.9
  Top w4: J1.A6@922.61,297.44 922.61,333.07 929.62,340.07 FL1.2@929.62,381.88 ; J1.B6@961.98,297.44 v1(962,337)
  Bottom w4: v1(927,337) v1(962,337)
DCDC_LP: IC8.M1 IC8.M2 L5.2 | length 94
  Top w10: L5.2@753.84,855.32 761,862.47 761,912.57 IC8.M1@768.7,920.27 ; IC8.M2@768.7,945.86 768.7,945.48 772.64,941.54 772.64,924.59
DCDC_PSWITCH: C62.1 IC8.K3 R32.1 | length 79.9
  Top w5: IC8.K3@717.52,971.45 v1(730.43,958.5)
  Bottom w4: C62.1@738.12,971.22 738.57,970.77 775.19,970.77 779.7,966.27 R32.1@781.74,966.27
  Bottom w5: v1(730.43,958.5) 738.12,966.24 C62.1@738.12,971.22
DCMI_CLK: IC8.B14 J4.12 | length 737.4
  Top w4: J4.12@768.9,1670.87 769.2,1670.57 769.2,1635.8 v1(769.5,1635.5)
  Top w5: v1(492.98,1301.23) 492.98,1272.76 IC8.B14@512.79,1252.95
  L6 w3: v1(492.98,1301.23) 490.88,1303.34 485.66,1303.34 443,1346 443,1530.38 479.32,1566.71 552.71,1566.71 595,1609 629,1609 637,1601 687.43,1601 717.9,1631.47 717.9,1640.68 725.22,1648 738.61,1648 757,1648 v1(769.5,1635.5)
DCMI_D0: IC8.J14 J4.31 | length 344.6
  Top w4: v1(571.85,1494.09) 571.95,1494.19 571.95,1529.03 J4.31@572.05,1529.13
  Top w5: IC8.J14@691.93,1252.95 703.74,1264.76 v1(703.74,1297.24)
  L6 w3: v1(571.85,1494.09) 571.85,1429.13 637.8,1363.19 652.81,1363.19 703.74,1312.26 v1(703.74,1297.24)
DCMI_D1: IC8.G12 J4.29 | length 347.7
  Top w4: J4.29@591.73,1529.13 593.9,1526.96 593.9,1494.64 v1(595.24,1493.3)
  Top w5: v1(627.95,1214.56) IC8.G12@640.74,1201.77
  L4 w3: v1(595.24,1493.3) 595.24,1491.71 599.41,1487.54 599.41,1460.63 615.16,1444.88 615.16,1227.35 v1(627.95,1214.56)
DCMI_D2: IC8.H11 J4.35 | length 446.8
  Top w5: IC8.H11@666.35,1176.18 v1(679.14,1188.97)
  L4 w3: v1(677.85,1297.39) 662,1281.54 662,1206.11 v1(679.14,1188.97)
  L6 w3: v1(533.52,1494) 534.54,1494 545.4,1483.14 545.4,1345.08 593.09,1297.39 v1(677.85,1297.39)
DCMI_D3: IC8.H12 J4.28 | length 637.1
  Top w4: v1(611.33,1635.34) 611.37,1635.39 611.37,1670.82 J4.28@611.42,1670.87
  Top w5: IC8.H12@666.35,1201.77 v1(679.14,1214.56)
  L4 w3: v1(611.33,1635.34) 611.22,1635.23 611.22,1618.11 634.79,1594.54 749.95,1594.54 759.91,1584.58 759.91,1375.06 691.93,1307.08 691.93,1301.81 cw(c688.93,1301.81) 691.8,1300.95 ccw(c703.74,1297.24) 691.8,1293.54 cw(c688.93,1292.67) 691.93,1292.67 691.93,1235.32 688.69,1232.08 cw(c679.14,1240.15) 687.2,1230.6 679.14,1222.53 v1(679.14,1214.56)
DCMI_D4: IC8.J13 J4.26 | length 619.1
  Top w4: J4.26@631.1,1670.87 631.96,1670.01 631.96,1637.73 v1(632.81,1636.87)